# Allegro board RV1126B_mainboard.brd (continued)
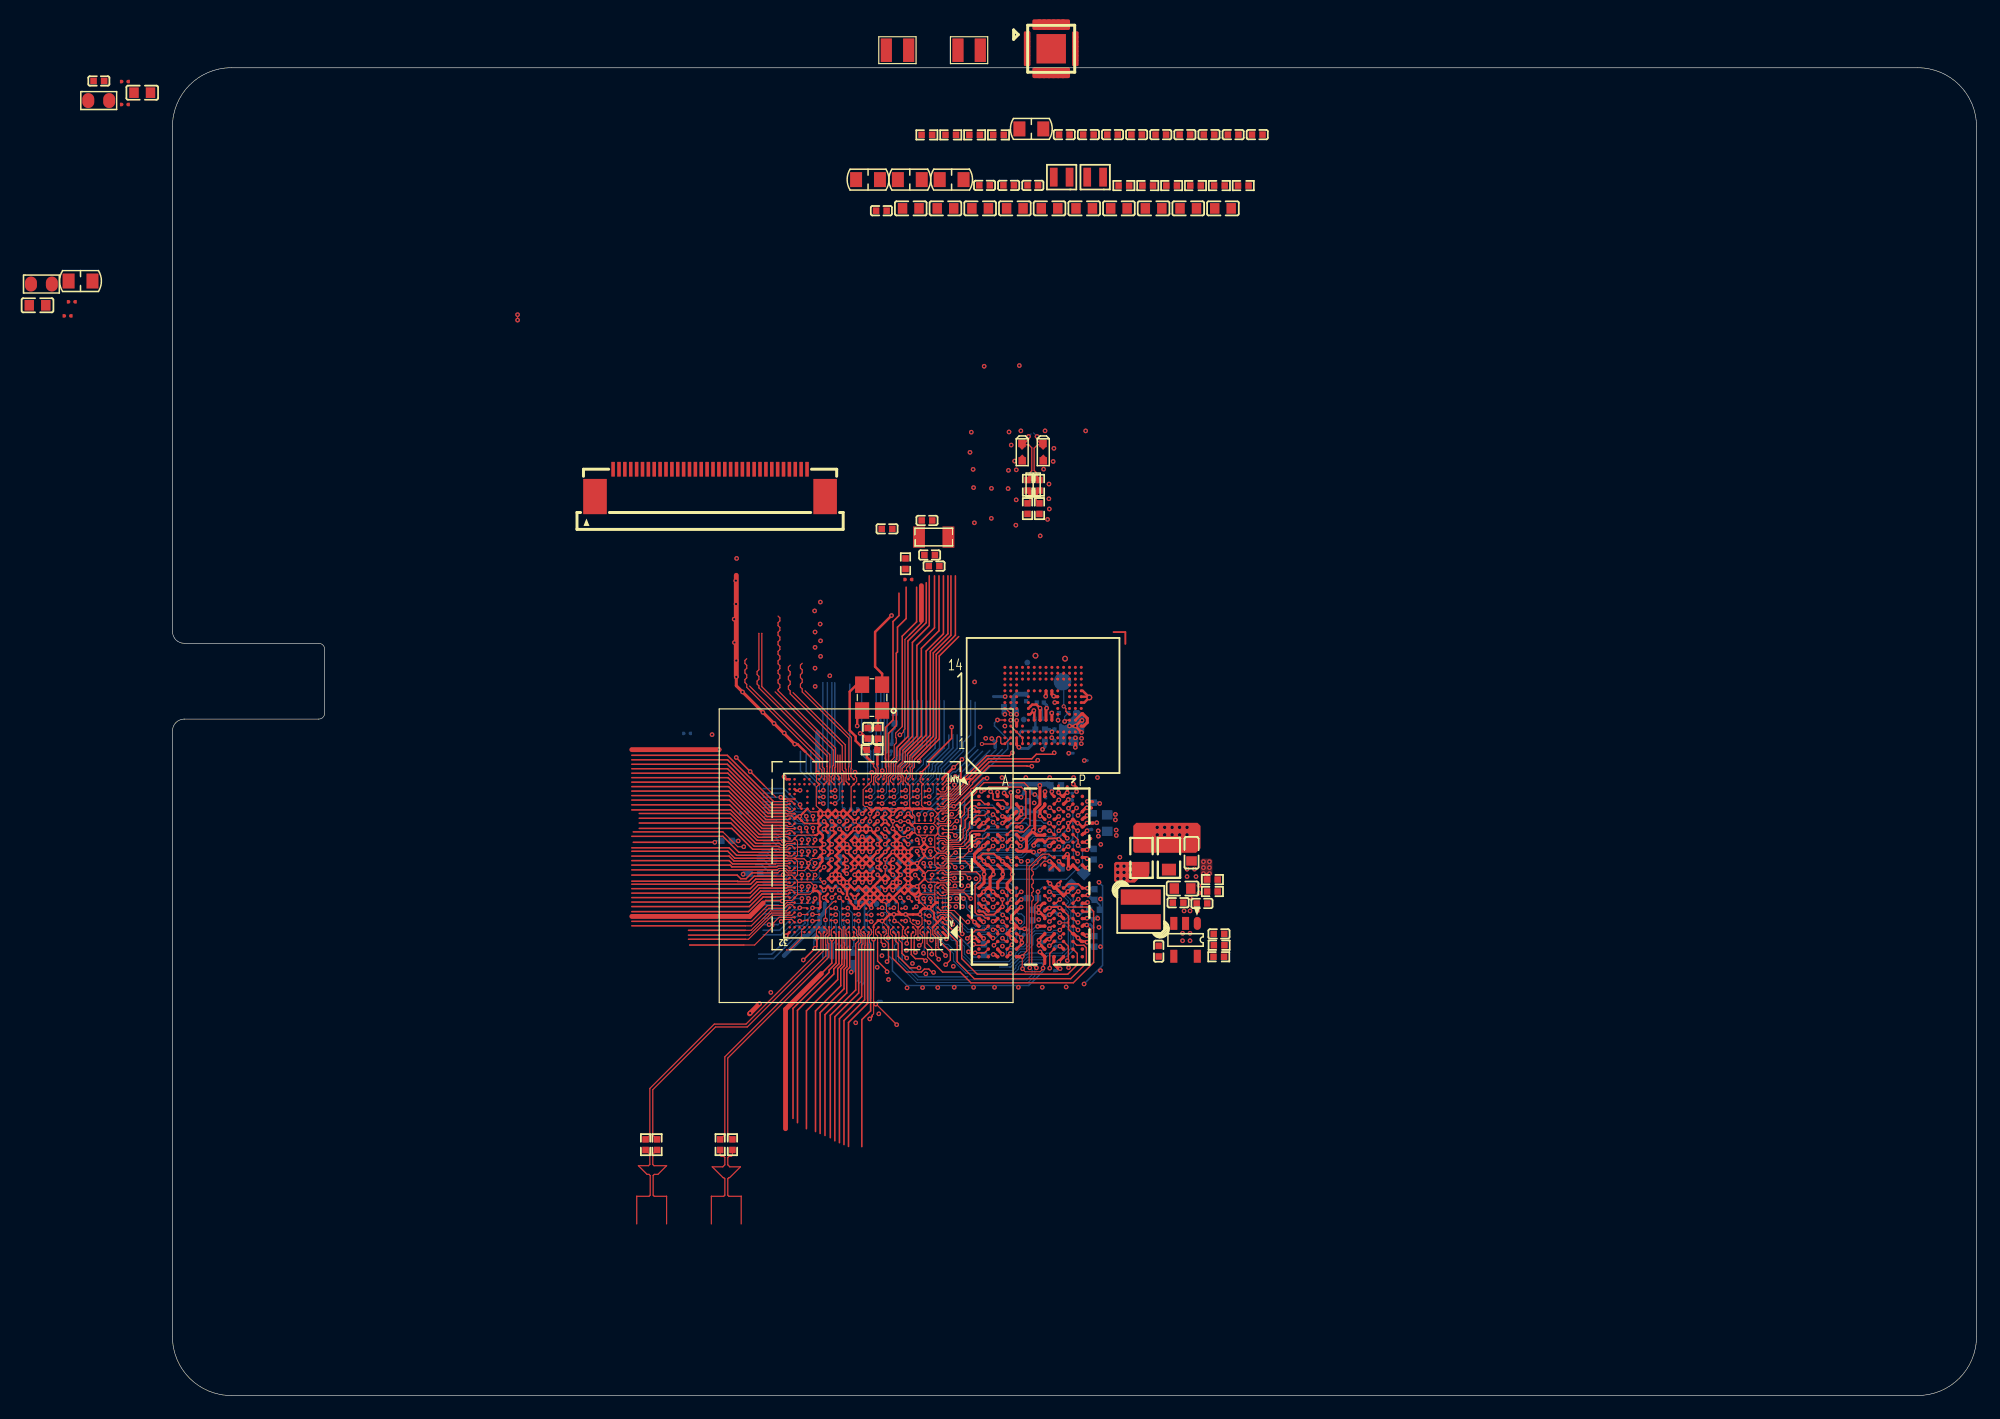
[diagram p0: board, top side]
## Routing (per net, layer and track width the routed paths; a pad name or vN(x,y) marks a point on that pad's centre or on a via; arc(x,y) is an arc through that point) (continued)
LPDDR4_A5_B: length 23.1
  TOP w0.089: U1000.1A6 62.32,40.46 v1(62.38,40.4)
  TOP w0.114: U3300.P11 76.94,42.88 77.06,42.88 77.07,42.9 v1(77.07,42.91)
  L6_S2 w0.089: v1(77.07,42.91) 77.07,43.4 76.6,43.88 76.6,45.15 75.9,45.85 65.51,45.85 64.61,44.94 63.97,44.94 63.57,44.54 63.57,44.21 63.34,43.98 62.45,43.98 62.25,43.77 62.25,43.34 61.56,42.66 61.56,42.15 61.94,41.77 61.94,40.84 v1(62.38,40.4)
LPDDR4_CKE0_A: length 23.2
  TOP w0.089: U1000.A10 61.82,39.38 61.82,38.78 62.07,38.53
  TOP w0.114: 62.07,38.53 62.07,37.65 v1(62.48,37.25)
  TOP w0.127: v1(71.42,45.48) 71.09,45.81 U3300.J4
  L4_S1 w0.091: v1(62.48,37.25) 63.19,37.25 63.82,36.62 64.16,36.62 64.34,36.79 65.35,36.79 65.65,37.09 66.62,37.09 67.02,36.69 71.34,36.69 71.96,37.31 71.96,37.59 72.13,37.75 72.81,37.75 73.19,38.13 73.19,43.71 v1(71.42,45.48)
LPDDR4_CKE0_B: length 13.2
  TOP w0.089: v1(61.38,41.53) 61.31,41.46 U1000.1C8
  TOP w0.127: v1(70.62,42.88) 70.69,42.88 U3300.P4
  L4_S1 w0.091: v1(70.62,42.88) 70.19,43.32 68.83,43.32 68.29,42.78 66.11,42.78 64.53,41.21 64.23,41.21 64.01,40.99 64.01,40.79 63.84,40.62 62.95,40.62 62.83,40.5 62.83,40.12 62.7,39.99 62.07,39.99 61.82,40.24 61.82,41.09 v1(61.38,41.53)
LPDDR4_CKE1_A: length 27.3
  TOP w0.089: U1000.B13 60.73,39.63 60.73,39.33 60.56,39.15 60.56,38.85 60.93,38.48
  TOP w0.114: 60.93,38.48 60.93,37.07 v1(60.8,36.94)
  TOP w0.127: U3300.J5 71.89,45.81 v1(72.22,45.48)
  L4_S1 w0.091: v1(60.8,36.94) 61.56,36.94 62.45,36.05 63.72,36.05 63.93,36.26 64.26,36.26 64.54,36.54 65.26,36.54 65.6,36.21 71.72,36.21 72.48,36.97 73.65,36.97 74.26,37.58 74.26,41.82 74.02,42.06 74.02,43.68 v1(72.22,45.48)
LPDDR4_CKE1_B: length 12.2
  TOP w0.089: v1(62.38,41.53) 62.31,41.46 U1000.1C6
  TOP w0.127: v1(72.22,42.88) 72.14,42.88 U3300.P5
  L4_S1 w0.091: v1(72.22,42.88) 71.83,43.27 70.78,43.27 70.32,43.72 68.72,43.72 68.04,43.04 65.98,43.04 64.89,41.95 64.1,41.95 63.42,41.26 62.65,41.26 v1(62.38,41.53)
LPDDR4_CLKN_A: length 29.8
  TOP w0.089: U1000.1C10 60.31,41.46 v1(60.38,41.53) ; v1(72.95,36.41) 72.9,36.46 72.9,45.01 73.48,45.6 73.77,45.89 73.92,46.03 73.95,46.03 74.01,46.09 74.59,46.09 74.87,45.81 U3300.J9
  BOTTOM w0.089: v1(60.38,41.53) 60.52,41.39 60.73,41.39 61,41.12 61,40.23 61.79,39.45 61.79,37.01 63.41,35.39 72.71,35.39 73.15,35.83 73.15,36.21 v1(72.95,36.41)
LPDDR4_CLKN_B: length 23.3
  TOP w0.097: U1000.1A2 64.08,40.4 64.26,40.4 v1(64.38,40.27) ; v1(74.62,42.88) 74.69,42.88 U3300.P9
  BOTTOM w0.089: v1(64.38,40.27) 64.38,39.97 65.24,39.1 65.24,38.61 65.66,38.19 65.89,38.19 66.46,37.62 66.46,36.99 67.5,35.96 71.63,35.96 71.98,36.31 71.98,36.5 72.2,36.72 72.45,36.72 72.83,37.1 74.1,37.1 74.44,37.44 75.81,37.44 76.44,38.07 76.44,39.89 76.14,40.2 76.14,40.35 76.44,40.66 76.44,41.27 76.24,41.47 76.24,41.69 76.44,41.89 76.44,42.19 75.75,42.88 74.62,42.88 v1(74.62,42.88)
LPDDR4_CLKP_A: length 29.8
  TOP w0.089: U3300.J8 74.01,45.81 73.97,45.77 73.97,45.77 73.64,45.44 73.64,45.34 73.5,45.2 73.4,45.2 73.12,44.92 73.12,44.7 73.25,44.57 73.25,44.35 73.12,44.22 73.12,43.99 73.25,43.86 73.25,43.63 73.12,43.51 73.12,43.28 73.25,43.15 73.25,42.92 73.12,42.8 73.12,42.57 73.25,42.44 73.25,42.21 73.12,42.09 73.12,36.73 73.44,36.41 v1(73.51,36.41)
  TOP w0.097: U1000.1B10 60.38,40.96 v1(60.38,40.96)
  BOTTOM w0.089: v1(73.51,36.41) 73.37,36.27 73.37,35.74 72.8,35.16 63.31,35.16 61.56,36.92 61.56,37.95 61.43,38.07 61.43,38.3 61.56,38.43 61.56,38.66 61.43,38.78 61.43,39.01 61.56,39.14 61.56,39.35 61.25,39.67 61.07,39.67 60.93,39.81 60.93,39.98 60.78,40.14 60.78,41.02 60.67,41.13 60.55,41.13 v1(60.38,40.96)
LPDDR4_CLKP_B: length 23.1
  TOP w0.097: v1(74.62,42.23) 74.54,42.23 U3300.P8 ; v1(64.38,40.84) 64.14,40.84 U1000.1B2
  BOTTOM w0.089: v1(74.62,42.23) 74.62,42.24 74.62,42.38 74.9,42.66 75.66,42.66 76.22,42.1 76.22,41.99 76.01,41.78 76.01,41.38 76.22,41.17 76.22,40.75 75.91,40.45 75.91,40.11 76.22,39.8 76.22,38.16 75.72,37.66 74.35,37.66 74.01,37.32 72.74,37.32 72.36,36.94 72.1,36.94 71.76,36.6 71.76,36.41 71.53,36.18 67.59,36.18 66.69,37.09 66.69,37.71 65.98,38.41 65.75,38.41 65.47,38.7 65.47,39.19 64.73,39.93 64.73,40.62 64.51,40.84 v1(64.38,40.84)
LPDDR4_CSN0_A: length 30.5
  TOP w0.089: U1000.B11 61.09,39.63 61.09,39.32 61.27,39.14 61.27,38.78
  TOP w0.114: v1(71.42,46.78) 71.34,46.78 U3300.H4 ; v1(64.76,36.03) 64.64,36.03 64.36,36.31 63.97,36.31 63.72,36.05 62.45,36.05 61.27,37.23 61.27,38.78
  L4_S1 w0.091: v1(71.42,46.78) 71.66,46.78 72.56,45.88 72.9,45.88 75.02,43.76 75.02,43.29 75.15,43.17 75.15,37.7 74.99,37.55 74.99,36.18 74.66,35.84 64.95,35.84 v1(64.76,36.03)
LPDDR4_CSN0_B: length 14.3
  TOP w0.089: 63.11,38.6 63.11,39.13 63.25,39.27 63.25,39.63 U1000.B7
  TOP w0.114: 63.11,38.6 63.11,37.86 63.21,37.75 v1(63.21,37.73)
  TOP w0.127: v1(71.42,42.23) 71.34,42.23 U3300.R4
  L4_S1 w0.089: v1(71.42,42.23) 71.06,41.88 71.06,41.49 70.85,41.27 70.47,41.27 70.07,40.88 69.69,40.88 69.39,40.57 69.39,40.19 68.57,39.38 68.57,38.31
  L4_S1 w0.091: v1(63.21,37.73) 63.24,37.75 63.49,37.75 63.87,38.14 65.3,38.14 65.5,38.34 67.66,38.34 67.94,38.06 68.32,38.06 68.57,38.31
LPDDR4_CSN1_A: length 23.5
  TOP w0.102: U1000.A7 62.86,39.3
  TOP w0.114: v1(70.62,46.78) 70.29,46.46 U3300.H3 ; v1(64.08,37.02) 64.05,37.04 64,37.04 63.85,37.2 63.21,37.2 62.86,37.55 62.86,39.3
  L4_S1 w0.091: v1(64.08,37.02) 64.1,37.04 64.15,37.04 64.31,37.2 64.74,37.2 65.08,37.54 65.33,37.54 65.63,37.83 66.51,37.83 67.28,37.07 71.24,37.07 71.67,37.5 71.67,38.03 71.82,38.19 72.59,38.19 72.85,38.45 72.85,43.49 71.01,45.34 71.01,45.78 70.62,46.17 v1(70.62,46.78)
LPDDR4_CSN1_B: length 13
  TOP w0.089: 60.3,38.59 60.3,39.22 U1000.A14 ; v1(69.82,41.58) 70.14,41.91 U3300.R3
  TOP w0.127: v1(60.55,38.34) 60.3,38.59
  L4_S1 w0.091: v1(60.55,38.34) 60.67,38.47 61.05,38.47 61.94,39.35 64.99,39.35 65.12,39.48 65.12,39.86 65.43,40.17 65.43,40.68 65.68,40.93 68.85,40.93 69.51,41.58 v1(69.82,41.58)
LPDDR4_RST: length 21.2
  TOP w0.089: U1000.2A1 62.62,42.36 v1(62.62,42.38)
  TOP w0.114: U3300.T11 76.95,40.93
  TOP w0.127: 76.95,40.93 v1(77.05,40.93)
  L6_S2 w0.089: v1(62.62,42.38) 62.6,42.41 62.6,42.55 63.03,42.99 64.61,42.99 64.86,43.24 64.86,44.05 64.99,44.18 64.99,44.43 65.88,45.32 68.22,45.32 68.8,44.74 74.72,44.74 75.86,43.6 75.86,42.74 77.05,41.55 v1(77.05,40.93)
  BOTTOM w0.152: v1(77.05,40.93) 77.24,40.93 77.44,41.13 77.78,41.13 C3339.1
MIC_LED_EN: length 10.4
  TOP w0.089: U1000.1AA6 62.32,50.46 v1(62.38,50.4)
  BOTTOM w0.089: 64.15,53.58 64.15,53.52 64.06,53.43 64.06,52.85 63.64,52.44 63.53,52.44 62.98,51.89 62.98,51 v1(62.38,50.4)
  BOTTOM w0.114: 64.15,53.58 64.15,54.01
  BOTTOM w0.127: 64.15,54.01 65.27,55.13 65.27,59.17
MIPI_CSI_RX0_CLK0N: length 10.1
  TOP w0.089: 56.17,53.58 56.17,52.8 56.05,52.68 56.05,52.29 U1000.AL23
  TOP w0.097: 51.28,59.91 56.23,54.96 56.23,53.64 56.17,53.58
MIPI_CSI_RX0_CLK0P: length 17
  TOP w0.089: U1000.AM23 56.29,52.61 56.35,52.67
  TOP w0.097: 51.53,66.36 51.68,66.21 51.68,65.95 51.53,65.8 51.53,65.55 51.68,65.39 51.68,65.14 51.53,64.99 51.53,64.73 51.68,64.58 51.68,64.33 51.53,64.17 51.53,63.92 51.68,63.77 51.68,63.51 51.53,63.36 51.53,63.11 51.68,62.95 51.68,62.7 51.53,62.55 51.53,62.29 51.68,62.14 51.68,61.89 51.53,61.74 51.53,61.48 51.68,61.33 51.68,61.08 51.53,60.92 51.53,60.67 51.68,60.52 51.68,60.26 51.53,60.11 51.53,60.01 56.42,55.12 56.42,53.52 56.35,53.45 56.35,52.67
MIPI_CSI_RX0_CLK1N: length 2.1
  TOP w0.097: 56.61,54.53 56.61,52.75 56.71,52.65 U1000.AM22
MIPI_CSI_RX0_CLK1P: length 2.6
  TOP w0.089: U1000.AL22 56.95,52.29 56.95,52.82 56.8,52.97 56.8,53.14
  TOP w0.097: 56.8,53.14 56.8,54.53
MIPI_CSI_RX0_D0N: length 13.4
  TOP w0.089: 54.91,54.25 54.93,54.25 55.07,54.11 55.07,53.43 55.25,53.25 55.25,52.68 U1000.AM26
  TOP w0.097: 54.91,54.25 48.86,60.29 48.86,60.55 48.71,60.7 48.71,60.95 48.86,61.11 48.86,61.36 48.71,61.51 48.71,61.77 48.86,61.92 48.86,62.17 48.71,62.33 48.71,62.58 48.86,62.73
MIPI_CSI_RX0_D0P: length 10.6
  TOP w0.089: U1000.AM25 55.46,52.48 55.46,53.37 55.29,53.54 55.29,54.19 55.06,54.43 55.06,54.45
  TOP w0.097: 55.06,54.45 49.11,60.4
MIPI_CSI_RX0_D1N: length 15.6
  TOP w0.089: 55.69,53.58 55.69,53.56 55.7,53.56 55.71,53.55 55.71,53.14 55.69,53.13 55.69,52.88 55.69,52.29 U1000.AL25 ; 49.9,64.87 49.9,64.9
  TOP w0.097: 49.9,64.87 49.9,61.79 49.74,61.64 49.74,61.39 49.9,61.23 49.9,60.98 49.74,60.83 49.74,60.57 49.9,60.42 49.9,60.25 55.69,54.46 55.69,53.58
MIPI_CSI_RX0_D1P: length 15.3
  TOP w0.089: 55.94,53.58 55.94,53.46 55.92,53.44 55.92,53.05 55.91,53.04 55.91,52.79 55.87,52.75 55.87,52.16 55.87,52.16 U1000.AL24 ; 50.15,64.87 50.15,64.9
  TOP w0.097: 55.94,53.58 55.94,54.56 50.15,60.35 50.15,64.87
MIPI_CSI_RX0_D2N: length 11.9
  TOP w0.089: U1000.AM20 57.55,52.57 57.53,52.6 57.53,53.55 57.55,53.57 57.55,55.95 56.79,56.71 56.77,56.71 56.68,56.8
  TOP w0.097: 53.58,62.34 53.43,62.19 53.43,61.94 53.58,61.78 53.58,61.53 53.43,61.38 53.43,61.12 53.58,60.97 53.58,60.72 53.43,60.56 53.43,60.31 53.58,60.16 53.58,59.9 56.68,56.8
MIPI_CSI_RX0_D2P: length 9.3
  TOP w0.089: U1000.AM19 57.73,52.71 57.73,53.35 57.77,53.4 57.77,53.55 57.77,53.55 57.77,56.04 56.94,56.87 56.94,56.88
  TOP w0.097: 56.94,56.88 53.83,60
MIPI_CSI_RX0_D3N: length 12.4
  TOP w0.089: U1000.AL21 57.13,53.12 56.99,53.26
  TOP w0.097: 52.56,62.18 52.41,62.03 52.41,61.77 52.56,61.62 52.56,61.37 52.41,61.21 52.41,60.96 52.56,60.81 52.56,60.55 52.41,60.4 52.41,60.15 52.56,59.99 52.56,59.74 56.99,55.31 56.99,53.26
MIPI_CSI_RX0_D3P: length 9.8
  TOP w0.089: U1000.AL20 57.37,52.23 57.31,52.29 57.31,53.32 57.24,53.39
  TOP w0.097: 52.81,59.84 57.24,55.41 57.24,53.39
MIPI_CSI_RX1_D1N: length 0
  TOP w0.097: U1000.AK32 52.51,51.63
MIPI_DSI_CLKN: length 2.7
  TOP w0.089: U1000.B29 53.53,39.63 53.53,38.94 52.53,37.94 52.24,37.94
MIPI_REFCLK_OUT0: length 15.3
  TOP w0.089: 52.22,49.55 52.24,49.53 U1000.AE31
  TOP w0.127: 39.08,52.98 47.26,52.98 50.68,49.55 52.22,49.55
MIPI_REFCLK_OUT1: length 15.5
  TOP w0.089: U1000.AF31 52.69,49.71 52.39,49.71 52.29,49.81 52.22,49.81
  TOP w0.127: 39.08,53.36 47.23,53.36 50.79,49.81 52.22,49.81
MIPI_REFCLK_OUT2: length 15
  TOP w0.089: 52.22,50.32 52.46,50.32 U1000.AG32
  TOP w0.127: 39.08,54.13 47.23,54.13 51.04,50.32 52.22,50.32
MIPI_REFCLK_OUT3: length 15.6
  TOP w0.089: 51.15,50.57 52.28,50.57 52.32,50.61 52.69,50.61 U1000.AG31
  TOP w0.127: 51.15,50.57 47.21,54.51 39.08,54.51
MIPI_RX0_PDN0: length 4.1
  TOP w0.089: U1000.1Y23 53.4,50.08 v1(53.4,50.31)
  BOTTOM w0.127: 50.26,51.67 52.03,51.67 v1(53.4,50.31)
MIPI_RX0_PDN1: length 5.4
  TOP w0.127: U1000.1V21 54.5,48.98 v1(54.5,49.32)
  BOTTOM w0.089: 52.93,50.28 53.23,49.97 53.84,49.97 v1(54.5,49.32)
  BOTTOM w0.127: 52.93,50.28 51.91,51.29 50.26,51.29
MIPI_RX0_RST0: length 4.6
  TOP w0.089: U1000.1T22 54.02,48.23 v1(53.93,48.32)
  BOTTOM w0.089: 53.12,48.69 53.57,48.69 53.93,48.33 v1(53.93,48.32)
  BOTTOM w0.127: 53.12,48.69 52.14,49.67 50.26,49.67
MIPI_RX0_RST1: length 5.3
  TOP w0.089: v1(54.5,48.32) 54.52,48.29 U1000.1T21
  BOTTOM w0.089: v1(54.5,48.32) 54.5,48.33 54.07,48.75 53.76,48.75 53.64,48.88 53.28,48.88 53.16,49.01
  BOTTOM w0.127: 53.16,49.01 52.11,50.05 50.26,50.05
NPOR_DET: length 17.6
  TOP w0.089: U1000.AL13 60.73,52.29 60.73,52.75 60.96,52.97 60.96,53.52 60.93,53.55
  TOP w0.127: 62.43,68.82 62.43,66.15 61.69,65.42 61.69,63.31 61.59,63.21 61.59,57.03 60.93,56.37 60.93,53.55
NPU_PWM: length 8.7
  TOP w0.127: v1(61.38,51.53) 61.3,51.45 61.03,51.45 U1000.1AC8
  BOTTOM w0.089: v1(61.38,51.53) 61.38,52.38 61.73,52.73 61.73,53.5
  BOTTOM w0.127: 63.04,59.17 63.04,55.56 62.1,54.62 62.1,53.86 61.73,53.5
OSC_XIN: length 10.3
  TOP w0.089: 59.64,53.78 59.64,53.54 59.86,53.33 59.86,52.88 59.65,52.67 U1000.AL15
  TOP w0.203: Y1100.3 58.22,60.52 57.62,59.93 57.62,56.63 58.13,56.12 58.13,55.74 58.89,54.98 R1103.2 59.08,54.35 59.64,53.78
OSC_XOUT: length 4.2
  TOP w0.089: U1000.AL14 59.83,52.29 59.83,52.59 60.04,52.79 60.04,53.45 59.96,53.53 59.96,53.72
  TOP w0.203: R1101.2 59.91,55.8 59.91,55.04 R1103.1 59.98,53.74 59.96,53.72
PCM_CLK_BT: length 6.2
  TOP w0.089: v1(58.38,40.4) 58.07,40.4 U1000.1A14
  BOTTOM w0.089: 58.87,38.97 58.87,39.25 58.38,39.74 v1(58.38,40.4)
  BOTTOM w0.127: 58.87,38.97 58.87,35.17 58.63,34.93
PCM_RX_BT: length 6.7
  TOP w0.089: v1(58.38,40.96) 58.38,40.96 U1000.1B14
  BOTTOM w0.089: v1(58.38,40.96) 58.04,40.63 58.04,39.75 58.62,39.18 58.62,38.97
  BOTTOM w0.127: 58.45,35.1 58.62,35.27 58.62,38.97
PCM_SYNC_BT: length 3.9
  TOP w0.089: U1000.1A16 57.37,40.46 v1(57.46,40.37)
  BOTTOM w0.089: 57.6,38.97 57.6,40.23 v1(57.46,40.37)
  BOTTOM w0.127: 57.24,37.2 57.24,37.96 57.6,38.32 57.6,38.97
PCM_TX_BT: length 4.5
  TOP w0.089: U1000.1B16 57.44,40.96 v1(57.46,40.94)
  BOTTOM w0.089: v1(57.46,40.94) 57.12,40.6 57.12,40.11 57.26,39.97 57.26,38.95
  BOTTOM w0.127: 56.99,37.2 56.99,38.09 57.26,38.36 57.26,38.95
PMIC_INT: length 9.7
  TOP w0.089: U1000.1AC12 59.31,51.46 v1(59.38,51.53)
  BOTTOM w0.089: 59.38,51.52 v1(59.38,51.53) 59.38,51.95 59.15,52.18 59.15,53.49
  BOTTOM w0.127: 59.15,53.49 59.15,54.09 58.64,54.59 58.64,60.56
PWM4_M1/ICR_BIN/LCDC_D3: length 14.1
  TOP w0.089: 51.47,44.75 51.58,44.87 52.19,44.87 52.39,44.67 52.69,44.67 U1000.P31
  TOP w0.127: 39.08,44.75 51.47,44.75
PWM5_M1/ICR_AIN/LCDC_D2: length 13.6
  TOP w0.089: U1000.P32 52.32,45.1 51.52,45.1 51.43,45.01
  TOP w0.127: 39.08,45.16 47.45,45.16 47.6,45.01 51.43,45.01
PWM6_M1/LCDC_DEN: length 9.4
  TOP w0.089: 48.73,39.61 49.24,39.61 50.89,41.26 52.22,41.26 U1000.F32
  TOP w0.127: 43.91,39.61 48.73,39.61
PWM7_M1/CAN0_RXD: length 6
  TOP w0.089: v1(55.44,43.68) 55.33,43.68 55.12,43.89 U1000.2D13
  BOTTOM w0.089: v1(55.44,43.68) 55.12,43.68 55.08,43.71 52.46,43.71 51.91,43.16 51.53,43.16
  BOTTOM w0.127: 51.53,43.16 50.26,43.16
PWM8_M1/LCDC_CLK: length 10.1
  TOP w0.089: 48.61,38.35 49.53,38.35 51.16,39.98 51.16,40.25 51.61,40.71 U1000.D31
  TOP w0.127: 44.01,38.35 48.61,38.35
PWM9_M1/LCDC_VSYNC: length 9.4
  TOP w0.089: U1000.E32 52.47,41.08 50.97,41.08 50.71,40.82 49.09,39.2 48.73,39.2
  TOP w0.127: 43.91,39.2 48.73,39.2
PWM10_M1/LCDC_HSYNC: length 10
  TOP w0.089: U1000.E31 52.69,40.89 51.05,40.89 49.01,38.85 48.73,38.85
  TOP w0.127: 43.91,38.85 48.73,38.85
PWM11_M1/CAN0_TXD: length 4.2
  TOP w0.089: U1000.1C22 53.97,41.52 v1(53.37,41.52)
  BOTTOM w0.127: v1(53.37,41.52) 53.21,41.36 52.77,41.36 52.16,40.75 51.66,40.75 51.53,40.62 50.26,40.62
PWR_CTRL: length 9.7
  TOP w0.127: v1(60.38,51.53) 60.31,51.46 U1000.1AC10
  BOTTOM w0.089: v1(60.38,51.53) 60.38,52.65 60.76,53.04 60.76,53.58
  BOTTOM w0.127: 60.8,60.56 60.8,54.77 60.65,54.62 60.65,54.24 60.76,54.12 60.76,53.58
PWR_CTRL0: length 18.6
  TOP w0.089: 61.89,54.53 61.89,54.14 61.54,53.78 61.54,52.67 U1000.AM11
  TOP w0.127: 64.39,69.79 64.39,65.55 62.96,64.12 62.96,56.12 61.89,55.05 61.89,54.53
PWR_CTRL1: length 9.6
  TOP w0.089: U1000.1AB6 62.38,50.96 v1(62.38,50.96)
  BOTTOM w0.089: v1(62.38,50.96) 62.75,51.34 62.75,51.98 63.28,52.5 63.28,53.13 63.72,53.58
  BOTTOM w0.102: 63.72,53.58 63.9,53.76 63.9,54.14 63.97,54.21
  BOTTOM w0.127: 63.97,54.21 64.89,55.13 64.89,59.17
RD+: length 9.1
  TOP w0.097: R6502.2 46.6,20.46 46.7,20.36 46.9,20.36 47,20.26 47,19.64 46.83,19.47 45.93,19.47 46.85,18.55 46.9,18.55 47,18.45 47,17.06 46.9,16.96 45.85,16.96 45.85,16.96 45.85,14.61
RD-: length 9.1
  TOP w0.097: 48.39,14.61 48.39,16.96 48.39,16.96 47.34,16.96 47.25,17.06 47.25,18.45 47.34,18.55 47.41,18.55 48.33,19.47 47.42,19.47 47.25,19.64 47.25,20.26 47.34,20.36 47.55,20.36 47.64,20.46 R6503.2
RTC_XIN: length 18.8
  TOP w0.089: 63,54.38 62.93,54.31 62.93,53.61 62.77,53.45 62.77,52.65 62.59,52.47 U1000.AM8
  TOP w0.127: 63,54.38 64.74,56.11 64.74,63.23 66.24,64.73 66.24,69.79
RTC_XOUT: length 18.9
  TOP w0.089: 63.18,54.2 63.14,54.15 63.14,53.51 62.95,53.32 62.95,52.53 U1000.AM7
  TOP w0.127: 66.62,69.79 66.62,64.73 64.99,63.1 64.99,56.01 63.18,54.2
SARADC0_IN0_KEY: length 6.8
  TOP w0.089: U1000.1B20 54.67,40.96 54.66,40.95 v1(54.46,40.95)
  BOTTOM w0.127: 49.88,37.58 50.99,37.58 52.13,38.72 52.29,38.72 53.31,39.74 53.69,39.74 54.07,40.12 54.07,40.56 v1(54.46,40.95)
SARADC0_IN1_CDS: length 5
  TOP w0.089: v1(56.43,41.5) 56.36,41.43 56.05,41.43 U1000.1C18
  BOTTOM w0.089: 56.74,39.74 56.74,39.92 56.76,39.95 56.76,41.17 v1(56.43,41.5)
  BOTTOM w0.127: 56.74,39.74 56.74,38.59 56.48,38.34 56.48,37.2
SARADC0_IN2_HW_ID: length 3.7
  TOP w0.089: v1(56.43,40.37) 56.41,40.37 56.32,40.46 U1000.1A18
  BOTTOM w0.127: v1(56.43,40.37) 56.43,39.98 56.48,39.93 56.48,38.72 56.23,38.47 56.23,37.2
SARADC0_IN3: length 4.5
  TOP w0.089: v1(56.43,40.94) 56.41,40.94 56.4,40.93 56.05,40.93 U1000.1B18
  BOTTOM w0.089: 55.72,38.97 56.07,39.33 56.07,40.61 56.41,40.94 v1(56.43,40.94)
  BOTTOM w0.127: 55.72,38.97 55.72,37.2
SARADC0_IN4_LCD_ID: length 6
  TOP w0.089: U1000.2B11 v1(56.11,42.4)
  BOTTOM w0.089: 55.47,39.1 55.9,39.53 55.9,41.82 56.11,42.03 v1(56.11,42.4)
  BOTTOM w0.127: 55.34,37.2 55.34,38.97 55.47,39.1
SARADC0_IN5: length 7.1
  TOP w0.089: U1000.1C16 57.41,41.46 v1(57.46,41.5)
  BOTTOM w0.089: 58.36,38.97 58.36,39.13 57.85,39.63 57.85,41.08 57.46,41.48 v1(57.46,41.5)
  BOTTOM w0.127: 58.27,35.28 58.36,35.38 58.36,38.97
SARADC0_IN6: length 5.9
  TOP w0.089: v1(56.75,42.38) 56.75,42.38 U1000.2A10
  BOTTOM w0.089: 57.01,39.86 57.01,39.95 56.94,40.01 56.94,42.19 v1(56.75,42.38)
  BOTTOM w0.127: 56.74,37.2 56.74,38.19 57.01,38.47 57.01,39.86
SARADC0_IN7_BOOT: length 6.6
  TOP w0.089: U1000.1A20 54.73,40.46 54.66,40.39 v1(54.46,40.39)
  BOTTOM w0.089: v1(54.46,40.39) 54.46,40.13 53.81,39.48 53.43,39.48 52.67,38.72
  BOTTOM w0.127: 52.67,38.72 51.15,37.2 49.88,37.2
SDIO_CLK: length 18.5
  TOP w0.089: 56.95,38.34 56.95,39.63 U1000.B22
  TOP w0.127: 53.94,22.72 53.94,32.75 56.6,35.41 56.6,36.35 56.95,36.7 56.95,38.34
SDIO_CMD: length 18.4
  TOP w0.089: 57.17,38.54 57.13,38.58 U1000.B21
  TOP w0.127: 57.17,38.54 57.17,36.61 56.86,36.3 56.86,34.89 54.71,32.74 54.71,22.48
SDIO_D0: length 17.7
  TOP w0.127: U1000.A22 56.71,36.76 56.27,36.32 56.27,35.88 53.18,32.8 53.18,23.23
SDIO_D1: length 17.4
  TOP w0.089: U1000.A23 56.46,39.28 56.46,38.74
  TOP w0.127: 52.8,23.6 52.8,32.95 55.87,36.03 55.87,36.23 56.46,36.81 56.46,38.74
SDIO_D2: length 18.2
  TOP w0.089: U1000.A20 57.62,39.38 57.62,38.72
  TOP w0.127: 55.52,22.14 55.52,32.42 57.37,34.28 57.37,36.2 57.62,36.45 57.62,38.72
SDIO_D3: length 18.6
  TOP w0.089: U1000.B20 57.31,39.63 57.31,39.29 57.39,39.21 57.39,38.1
  TOP w0.127: 55.11,22.31 55.11,32.6 57.14,34.63 57.14,36.28 57.39,36.52 57.39,38.1
SDMMC0_CLK: length 4.2
  TOP w0.089: U1000.1AC20 55.31,51.46 v1(55.38,51.53)
  BOTTOM w0.127: v1(55.38,51.53) 55.38,52.01 54.32,53.07 54.32,54.95
SDMMC0_CMD: length 9.8
  TOP w0.127: U1000.1AC18 56.31,51.46 v1(56.38,51.53)
  BOTTOM w0.127: v1(56.38,51.53) 56.38,52.28 55.72,52.94 55.72,60.69
SDMMC0_D0: length 4.9
  TOP w0.089: U1000.1AB20 55.38,50.96 v1(55.38,50.96)
  BOTTOM w0.089: v1(55.38,50.96) 55.05,51.3 55.05,51.99
  BOTTOM w0.127: 53.92,54.85 53.92,53.12 55.05,51.99
SDMMC0_D1: length 5.6
  TOP w0.089: v1(55.38,50.4) 55.32,50.46 U1000.1AA20
  BOTTOM w0.089: 54.69,51.92 54.84,51.77 54.84,51 55.38,50.45 v1(55.38,50.4)
  BOTTOM w0.127: 54.69,51.92 53.43,53.17 53.43,54.85
SDMMC0_D2/JTAG_TCK: length 10.5
  TOP w0.089: U1000.1AB18 56.38,50.96 v1(56.38,50.96)
  BOTTOM w0.127: v1(56.38,50.96) 56.02,51.32 56.02,52.26 55.34,52.94 55.34,60.69
SDMMC0_D3/JTAG_TMS: length 11.1
  TOP w0.089: v1(56.38,50.4) 56.08,50.4 U1000.1AA18
  BOTTOM w0.127: 56.1,60.69 56.1,52.94 56.76,52.28 56.76,50.78 v1(56.38,50.4)
SDMMC0_DET: length 19.3
  TOP w0.089: 62.35,54.78 62.35,53.96 61.9,53.52 61.9,52.73 62,52.64 62,52.29 61.75,52.05 U1000.AL10
  TOP w0.127: 65.22,69.79 65.22,65.11 63.72,63.61 63.72,56.15 62.35,54.78
TD+: length 9
  TOP w0.097: 39.5,14.61 39.5,16.96 39.5,16.96 40.55,16.96 40.65,17.06 40.65,18.73 40.55,18.83 40.38,18.83 39.64,19.57 40.51,19.57 40.62,19.68 40.62,20.54 R6500.2
TD-: length 9.3
  TOP w0.097: 42.04,14.61 42.04,16.96 42.04,16.96 40.99,16.96 40.9,17.06 40.9,18.73 40.99,18.83 41.3,18.83 42.04,19.57 40.98,19.57 40.87,19.68 40.87,20.54 R6501.2
TP_INT_L/LCDC_D6: length 13.7
  TOP w0.089: 52.22,43.71 52.45,43.71 52.51,43.65 U1000.L32
  TOP w0.127: 52.22,43.71 49.73,43.71 49.17,43.15 39.08,43.15
TP_RST_L/LCDC_D4: length 14.3
  TOP w0.089: U1000.N31 52.31,44.49 52.11,44.69 51.7,44.69 51.51,44.5
  TOP w0.127: 39.08,44.31 48.05,44.31 48.35,44 48.81,44 49.31,44.5 51.51,44.5
TSADC_SHUT: length 18.5
  TOP w0.089: U1000.AL11 61.09,52.29 61.09,52.58 61.34,52.83 61.34,53.87 61.64,54.16 61.64,54.47
  TOP w0.127: 64.14,69.2 64.14,65.81 62.58,64.25 62.58,56.12 61.64,55.18 61.64,54.47
TYPEC_DM: length 4.8
  TOP w0.102: FB2500.4 73.51,78.57 73.32,78.76 73.32,80.66 73.61,80.95 73.97,80.95 ; 73.97,80.95 ED2500.1 ; 73.97,80.95 73.56,81.35 v1(73.56,81.66)
  BOTTOM w0.102: v1(73.56,81.66) 73.26,81.96
TYPEC_DP: length 4.8
  TOP w0.102: FB2500.2 72.96,78.57 73.12,78.73 73.12,80.69 72.86,80.95 72.36,80.95
  TOP w0.127: ED2501.1 72.36,80.95 72.84,81.43 v1(72.84,81.66)
  BOTTOM w0.102: 73.06,81.87 v1(72.84,81.66)
UART0_RX_DBG/JTAG_TMS: length 19.2
  TOP w0.089: U1000.AL9 62.17,52.71 62.08,52.8 62.08,53.36 62.55,53.84 62.55,54.65
  TOP w0.127: 65.6,69.79 65.6,64.86 64.13,63.38 64.13,56.22 62.55,54.65
UART0_TX_DBG/JTAG_TCK: length 18.6
  TOP w0.089: 62.15,54.94 62.15,54.01 61.73,53.59 61.73,52.49 U1000.AM10
  TOP w0.127: 62.15,54.94 63.34,56.13 63.34,63.87 64.84,65.36 64.84,69.79
UART2_CTSN_BT: length 19.2
  TOP w0.089: U1000.B18 58.39,39.27 58.56,39.11 58.56,38.59 58.39,38.41 58.39,38.08
  TOP w0.127: 58.39,38.08 58.39,34.27 56.35,32.24 56.35,21.69
UART2_RTSN_BT: length 19.1
  TOP w0.089: U1000.B19 58.21,39.63 58.21,39.18 58.38,39.01 58.38,38.71 58.13,38.47
  TOP w0.127: 55.97,21.95 55.97,32.37 58.13,34.53 58.13,38.47
UART2_RX_BT: length 19.3
  TOP w0.089: U1000.B17 58.57,39.63 58.57,39.35 58.75,39.17 58.75,38.45 58.64,38.34
  TOP w0.127: 58.64,38.34 58.64,33.97 56.75,32.08 56.75,21.53
UART2_TX_BT: length 18.9
  TOP w0.089: U1000.A17 58.94,39.32 58.94,38.34 58.89,38.29 58.89,38.21
  TOP w0.127: 58.89,38.21 58.89,33.68 57.14,31.92 57.14,21.37
USB2_OTG_ID: length 9.6
  TOP w0.089: v1(64.38,50.99) 64.38,50.98 64.05,50.98 U1000.1AB2
  BOTTOM w0.089: 65.27,52.54 65.27,52.46 64.74,51.93 64.74,51.35 v1(64.38,50.99)
  BOTTOM w0.114: 65.27,52.54 65.27,52.8 65.42,52.94 65.42,53.37 67.02,54.98
  BOTTOM w0.127: 67.02,59.17 67.02,54.98
USB2_OTG_VBUSDET: length 10.6
  TOP w0.089: U1000.1AA2 64.05,50.48 64.3,50.48 64.35,50.43 v1(64.38,50.43)
  BOTTOM w0.089: v1(64.38,50.43) 64.99,51.04 64.99,51.8 65.5,52.31
  BOTTOM w0.114: 67.91,56.25 67.28,55.61 67.28,54.85 65.68,53.25 65.68,52.82 65.52,52.66 65.52,52.33 65.5,52.31
  BOTTOM w0.127: 67.91,59.17 67.91,56.25
WIFI_WAKE_HOST: length 6.1
  TOP w0.089: v1(64.38,51.55) 64.29,51.46 U1000.1AC2
  BOTTOM w0.089: v1(64.38,51.55) 64.38,51.95 65.01,52.58 65.01,52.8
  BOTTOM w0.114: 65.16,53.28 65.16,53.09 65.01,52.94 65.01,52.8
  BOTTOM w0.127: 65.16,53.28 65.16,53.49 66.77,55.1 66.77,56.25
WIFI_WAKE_HOST_OPTION: length 19.2
  TOP w0.089: U1000.B16 59.47,39.63 59.47,39.3 59.31,39.13 59.31,38.56 59.4,38.47 59.4,38.34
  TOP w0.127: 59.4,38.34 59.4,32.75 58.65,32 58.65,21.19
N18124767: length 1
  TOP w0.254: v1(72.2,50.94) 72.18,50.96 71.87,50.96 U3300.A5
  BOTTOM w0.254: R3300.2 72.46,51.27 72.23,51.04 72.23,50.99 72.2,50.96 v1(72.2,50.94)
N18124770: length 0.9
  TOP w0.254: v1(74.24,51.42) 74.22,51.39 U3300.A8
  BOTTOM w0.254: R3301.2 74.24,50.95 v1(74.24,51.42)
N19448724: length 1
  TOP w0.102: R2501.2 73.51,76.22 FB2500.3
N19448784: length 1
  TOP w0.102: R2502.2 72.96,76.17 FB2500.1
N19653140: length 2.5
  TOP w0.203: C1102.1 59.16,56.82 R1101.1 60.04,57.64 60.22,57.82 60.22,58.16 Y1100.1
N20093874: length 1.6
  TOP w0.254: v1(74.38,58.52) 74.33,58.46 U3.H5
  BOTTOM w0.254: v1(74.38,58.52) 74.38,58.76 R71.2

## Copper pours and planes (outline as drawn; the poured copper is in the pictures)
GND on L2_GND1, L5_GND2, L7_GND3: 92.17,-14.24 92.17,93.71 19.65,93.71 19.65,-14.24
GND on L3_POWER: 92.17,-14.24 92.17,93.71 19.65,93.71 19.65,-14.24 ; 2 cut-outs
VCC_1V8 on BOTTOM (solid shape): 77.58,57.91 77.58,56.41 77.51,56.33 76.21,56.33 76.06,56.18 76.06,55.52 75.98,55.45 75.5,55.45 75.42,55.52 75.42,57.12 75.51,57.21 75.54,57.22 75.63,57.22 75.75,57.11 75.91,57.06 76.14,57.16 76.24,57.39 76.23,57.47 76.62,57.86 76.62,58.24 76.74,58.37 77.12,58.37
VCC_1V8 on L4_S1: 59.66,49.13 59.78,49.26 59.78,57.13 59.66,57.26 58.01,57.26 57.88,57.13 57.88,49.39 58.13,49.13
VCC_1V8 on L4_S1: 62.32,46.72 62.2,46.59 60.55,46.59 59.91,47.23 59.91,53.71 60.04,53.83 60.04,56.88 60.16,57.01 61.82,57.01 62.32,56.5
VCC_1V8 on L4_S1: 57.62,48.12 57.5,47.99 55.97,47.99 55.59,48.37 55.59,49.26 55.21,49.64 55.08,49.64 54.45,50.28 54.45,54.09 55.34,54.98 56.99,54.98 57.31,54.66 57.31,49.96 57.12,49.77 57.12,49.01 57.62,48.5
VCC_1V8 on L4_S1: 62.45,46.59 62.58,46.47 65.24,46.47 65.5,46.72 65.5,56.5 65.37,56.63 62.96,56.63 62.45,56.12
VCC_3V3 on L3_POWER: 66.64,50.15 66.64,53.96 66.39,54.21 65.24,54.21 64.74,53.71 64.74,49.64 64.36,49.26 62.58,49.26 62.2,48.88 62.2,48.12 62.32,47.99 64.48,47.99
VCC_3V3 on L4_S1: 54.83,43.29 49.24,43.29 49.24,41.64 55.72,41.64 56.1,42.02 56.35,42.02 57.12,42.78 57.12,43.29 56.99,43.42 54.96,43.42
VCC_DDR on TOP (solid shape): 83.12,45.39 83.12,44.45 83.09,44.42 83.09,44.25 82.96,44.12 82.33,44.12 81.88,43.67 80.28,43.67 80.13,43.82 80.13,45.3 80.26,45.43 83.09,45.43
VCC_DDR on BOTTOM: 62.26,44.82 62.39,44.69 62.39,44.5 62.32,44.43 62.32,43.67 62.13,43.47 62.13,42.71 62.07,42.66 61.75,42.66 61.69,42.59 61.69,41.89 61.63,41.83 61.5,41.83 61.31,41.64 60.8,41.64 60.55,41.89 60.55,42.02 60.67,42.15 60.8,42.15 60.9,42.24 60.9,42.43 60.67,42.66 60.55,42.66 60.42,42.78 60.42,43.04 61.11,43.73 61.11,43.8 61.11,43.79 61.56,43.79 61.75,43.99 61.75,44.75 61.81,44.82
VCC_DDR on L3_POWER: 75.88,47.61 75.88,47.13 76.17,46.85 81.12,46.85 81.88,46.09 81.88,42.4 81.25,41.77 77.69,41.77 76.42,43.04 75.02,43.04 74.39,42.4 74.39,39.74 74.13,39.48 73.63,39.48 73.37,39.23 73.37,37.96 74.13,37.2 75.66,37.2 76.55,36.31 76.55,35.8 75.66,34.91 61.43,34.91 59.4,36.94 59.4,41.51 60.04,42.15 60.04,43.04 60.93,43.93 61.46,43.93 61.71,44.18 61.71,44.45 61.82,44.56 62.07,44.56 62.32,44.31 64.99,44.31 65.63,44.94 66.9,44.94 68.93,46.97 70.83,46.97 70.96,47.1 70.96,47.48 71.85,48.37 73.5,48.37 74.01,47.86 75.63,47.86
VCCIO_SD on L3_POWER: 56.35,48.63 57.5,48.63 57.75,48.88 57.75,57.01 57.37,57.39 56.23,57.39 55.97,57.13 55.97,49.01
VDD1_1V8_DDR on TOP: 87.47,45.58 87.47,43.8 87.6,43.67 88.36,43.67 88.49,43.8 88.49,45.58 88.36,45.7 87.6,45.7
VDD1_1V8_DDR on BOTTOM: 77.82,48.37 80.55,48.37 80.61,48.31 80.61,47.36 80.55,47.29 78.45,47.29 77.88,47.86 77.75,47.86 77.63,47.99 77.63,48.18
VDD1_1V8_DDR on L3_POWER: 75.15,41.13 75.79,41.13 76.93,39.99 79.21,39.99 79.72,40.5 79.72,41.39 79.47,41.64 77.69,41.64 76.55,42.78 74.9,42.78 74.39,42.28 74.39,40.88 74.52,40.75 74.77,40.75
VDD1_1V8_DDR on L4_S1: 67.78,47.74 68.42,47.1 72.29,47.1 73.06,46.34 74.9,46.34 75.02,46.47 76.42,46.47 76.93,45.96 76.93,40.56 77.37,40.12 87.22,40.12 88.87,41.77 88.87,46.72 88.23,47.36 83.79,47.36 81.79,49.36 81.75,49.36 80.07,51.04 68.8,51.04 67.78,50.02
VDD1_1V8_DDR on L6_S2: 70.07,39.99 68.8,39.99 68.67,40.12 68.67,41.77 69.18,42.28 69.18,42.53 69.56,42.91 72.86,42.91 73.5,42.28 73.75,42.28 74.77,41.26 74.77,40.43 74.74,40.4 74.74,40.09 73.88,39.23 72.61,39.23 72.36,39.48 70.58,39.48
VDD_0V9 on L3_POWER: 59.15,47.74 58.89,47.99 58.89,54.85 59.15,55.1 60.55,55.1 60.55,49.01 60.93,48.63 60.93,47.99 60.8,47.86 60.42,47.86 60.29,47.74
VDD_0V9 on L3_POWER: 62.7,49.39 62.32,49.39 62.2,49.51 62.2,53.45 63.09,54.34 64.1,54.34 64.23,54.21 64.23,49.77 63.97,49.51 62.83,49.51
VDD_CPU on BOTTOM: 57.88,46.21 58.23,45.86 58.54,45.86 58.77,46.09 59.4,46.09 59.53,46.21 59.53,47.61 59.4,47.74 58.01,47.74 57.88,47.61
VDD_CPU on L3_POWER: 56.23,45.83 45.18,45.83 45.18,48.75 45.43,49.01 55.59,49.01 55.97,48.63 58.39,48.63 58.51,48.5 58.51,48.12 59.53,47.1 59.53,45.96 59.28,45.7 56.35,45.7
VDD_LOGIC on BOTTOM: 57.62,44.31 57.24,44.31 56.74,44.82 56.74,45.2 56.61,45.32 56.61,45.7 56.72,45.82 57.39,45.82 57.54,45.67 57.58,45.71 58.53,45.71 58.74,45.92 59.24,45.92 59.28,45.96 59.91,45.96 60.42,45.45 60.42,44.56 60.29,44.43 60.16,44.43 60.04,44.56 59.78,44.56 59.78,45.2 59.66,45.32 59.34,45.32 59.23,45.21 57.84,45.21 57.84,44.52
VDD_LOGIC on L4_S1: 54.96,43.55 54.83,43.42 45.94,43.42 45.56,43.8 45.56,47.1 45.81,47.36 59.51,47.36 60.4,46.47 60.79,46.47 61.18,46.07 61.18,44.05 60.67,43.55
VDD_NPU on BOTTOM: 57.88,43.55 57.88,42.91 58.01,42.78 59.4,42.78 59.53,42.91 59.53,43.67 59.78,43.93 59.78,44.18 59.4,44.56 58.01,44.56 57.62,44.18 57.62,43.8
VDD_NPU on L3_POWER: 59.53,44.31 59.53,44.43 59.4,44.56 57.75,44.56 57.5,44.31 55.85,44.31 55.72,44.18 55.72,42.91 55.47,42.66 54.2,42.66 53.81,42.28 53.81,36.69 55.34,35.16 58.89,35.16 59.28,35.54 59.28,41.64 59.91,42.28 59.91,43.93
VDDQ_DDR on TOP (solid shape): 87.47,48.5 87.47,46.59 87.09,46.21 81.88,46.21 81.75,46.34 81.75,48.5 82.01,48.75 87.22,48.75
VDDQ_DDR on BOTTOM: 61.25,43.99 61.09,44.15 61.09,45.75 61.18,45.83 61.86,45.83 62.17,45.52 62.17,45.34 61.99,45.15 61.78,45.15 61.61,44.99 61.61,44.31 61.56,44.26 61.56,44.05 61.5,43.99
VDDQ_DDR on L3_POWER: 81.25,46.97 76.29,46.97 75.94,47.32 75.94,47.61 75.44,48.12 74.07,48.12 73.75,48.44 71.66,48.44 70.83,47.61 70.83,47.23 70.71,47.1 69.05,47.1 67.15,45.2 65.63,45.2 64.86,44.43 62.32,44.43 62.07,44.69 61.75,44.69 61.56,44.5 61.56,44.18 61.43,44.05 61.24,44.05 61.05,44.24 61.05,47.36 61.56,47.86 64.48,47.86 69.31,52.69 84.8,52.69 87.41,50.09 87.41,41.83 81.75,36.18 76.8,36.18 75.66,37.32 74.26,37.32 73.5,38.08 73.5,39.23 73.63,39.35 74.26,39.35 74.9,39.99 74.9,40.62 75.4,41.13 75.66,41.13 76.93,39.86 79.6,39.86 82.14,42.4 82.14,46.09
VDDQ_DDR on L4_S1: 68.67,39.61 68.67,38.34 69.69,37.32 71.59,37.32 72.74,38.47 72.74,40.37 72.36,40.75 69.82,40.75
VDDQ_DDR on L6_S2: 75.53,37.32 75.79,37.58 75.79,38.47 75.53,38.72 74.13,38.72 73.63,39.23 71.98,39.23 71.34,38.59 71.34,38.47 71.09,38.21 70.32,38.21 70.07,37.96 70.07,37.32 70.32,37.07 71.85,37.07 72.1,37.32
(no net) on BOTTOM: 76.12,56.05 76.3,56.23 77.7,56.23 78.03,55.9 78.03,55.19 77.95,55.11 77.17,55.11 77.01,54.96 76.33,54.96 76.12,55.17
(no net) on BOTTOM: 76.62,57.86 76.62,58.24 76.74,58.37 77.12,58.37 77.58,57.91 77.58,56.41 77.51,56.33 76.21,56.33 76.06,56.18 76.06,55.52 75.98,55.45 75.5,55.45 75.42,55.52 75.42,57.12 75.52,57.22 75.98,57.22

Small or netless copper shapes (teardrops, artwork), in the pictures only: 1 on BOTTOM
